# Allegro board FEE5_10_30.brd (continued)
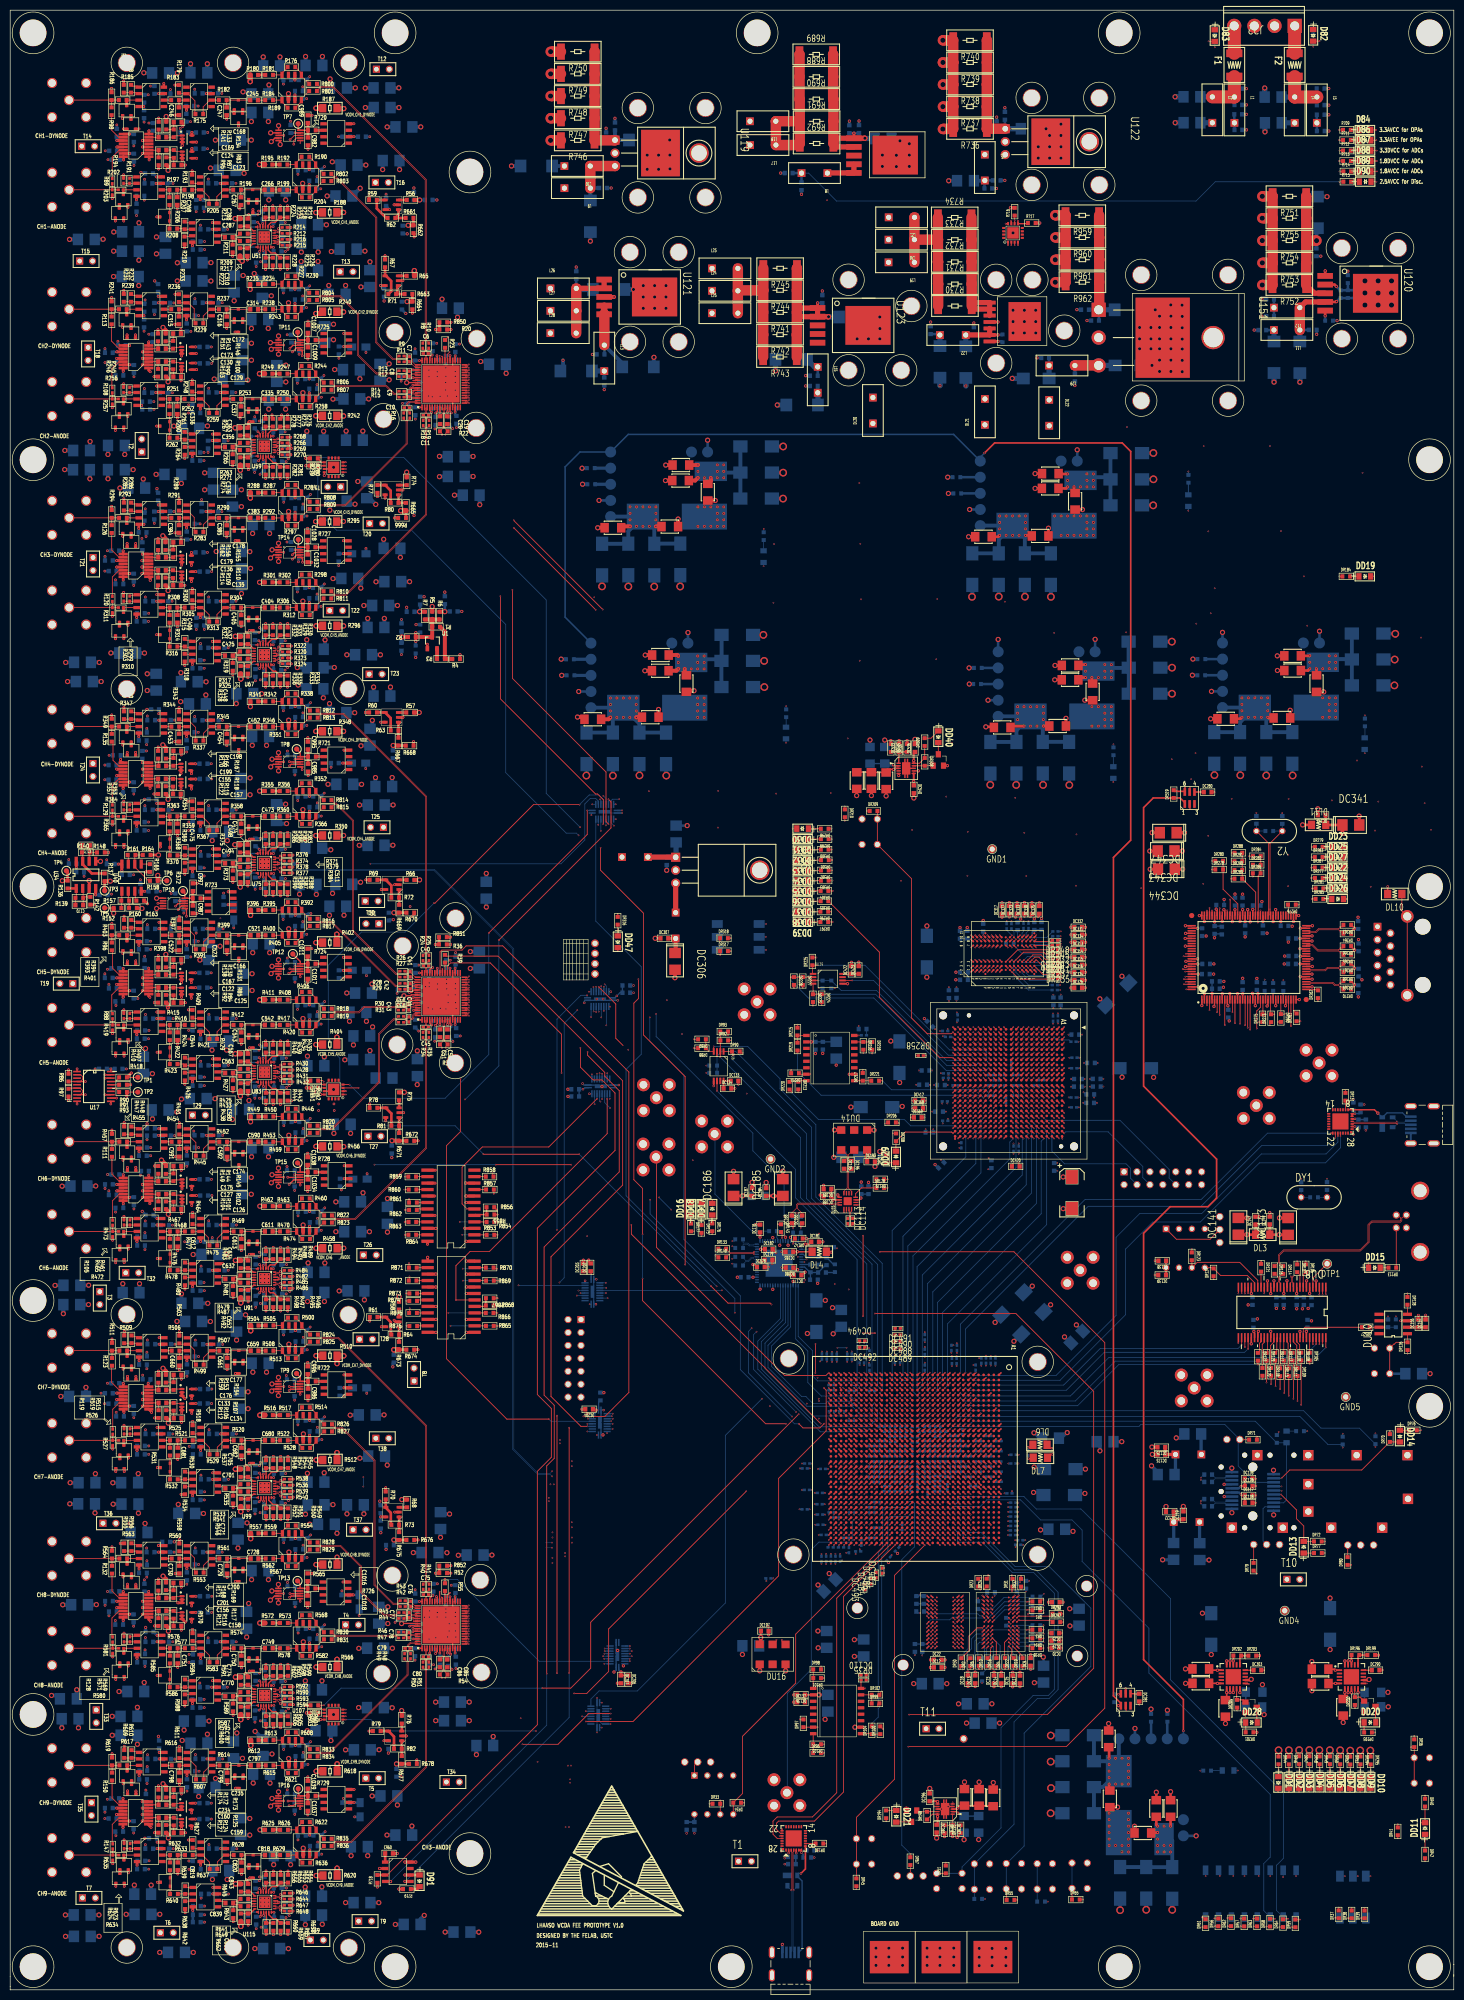
[diagram p0: board, top side]
## Nets (continued)

## Via types
v1: diameter 0.305, hole 0.203, TOP to BOTTOM, 2765 vias
v2: diameter 0.457, hole 0.305, TOP to BOTTOM, 64 vias
v3: diameter 0.508, hole 0.254, TOP to BOTTOM, 1559 vias
v4: diameter 1.524, hole 1.016, TOP to BOTTOM, 81 vias
v5: diameter 1.016, hole 0.61, TOP to BOTTOM, 855 vias
v6: diameter 0.635, hole 0.305, TOP to BOTTOM, 271 vias
v7: diameter 0.559, hole 0.254, TOP to BOTTOM, 226 vias
v8: diameter 0.61, hole 0.33, TOP to BOTTOM, 137 vias
v9: diameter 0.221, hole 0.099, TOP to BOTTOM, 47 vias

## Routing (per net, layer and track width the routed paths; a pad name or vN(x,y) marks a point on that pad's centre or on a via; arc(x,y) is an arc through that point)
-5.2V: length 20.1
  TOP w0.508: v8(260.56,331.52) 260.51,331.52 260.43,331.44 U120.4
  TOP w1.016: U120.4 254.45,331.44 L12.1
  TOP w2.032: L11.1 L12.1
  BOTTOM w0.508: C928.2 262.78,332.21 R695.1 262.76,332.2 R696.1 261.24,332.2 v8(260.56,331.52) ; C925.2 253.35,325.95 L11.1
  BOTTOM w1.016: L11.1 253.35,325.92 C924.2
A7VCCADC: length 23.6
  TOP w0.254: DU4.T18 179.22,103.74 v1(179.59,103.37) ; DL7.1 200.78,104.28 v2(199.97,104.28)
  S4 w0.254: v2(199.97,104.28) 199.97,104.29 180.51,104.29 v1(179.59,103.37)
  BOTTOM w0.254: v2(199.97,104.28) 199.95,104.3 DC543.1 ; v1(179.59,103.37) 179.23,103.73 DC544.1
GND: length 2269.2
  TOP w0.152: DU4.M21 v1(183.65,100.32) ; DD37.2 v1(154.51,214.58) ; D89.2 v1(268.49,357.07) ; v1(245.72,143.13) 245.72,143.13 DR121.1 ; DD33.2 v1(153.82,221.82) ; DD7.2 261.22,38.91 v1(261.21,38.9) ; DU40.M1 v1(198.36,199.88) ; DR58.1 v1(246.77,12.43) ; DD19.2 267.91,277.55 v1(267.91,277.55) ; DR255.1 205.89,199.49 v1(206.5,199.49) ; DD31.2 v1(153.78,225.96) ; DR211.2 172.11,164.5 v1(172.1,164.51) ; v1(255.18,38.93) 255.18,38.93 DD4.2 ; DR258.2 177.92,183.46 v1(177.92,183.46) ; DR56.1 v1(236.69,12.48) ; DC110.2 v1(166.67,61.8) ; DD6.2 259.21,38.93 v1(259.22,38.93) ; 197.84,17.69 v1(197.84,17.68) 197.82,17.66 DR55.2 ; D87.2 v1(268.45,361.16) ; DR51.2 v1(183.79,24.99) ; R711.1 v1(261.04,363.21) ; DR27.1 202.32,76.41 202.48,76.56 v1(202.98,76.56) ; DD47.2 v1(119.36,203.97) ; DR64.1 v1(249.31,12.34) ; DD2.2 251.15,38.91 v1(251.16,38.9) ; DR262.1 v1(256.88,194.1) ; v1(266.04,16.12) 266.05,16.12 DR39.2 ; DR227.2 v1(155.69,196.75) ; DD36.2 v1(153.69,215.81) ; v1(257.2,38.94) 257.2,38.94 DD5.2 ; v1(186.64,62.99) 186.64,63.43 186.79,63.58 186.84,63.58 DR30.1 ; v1(206.85,72.2) 206.85,72.19 DR292.2 ; DU37.D6 v1(204.06,184.04) ; DR59.1 v1(251.71,12.28) ; DU37.C9 v1(205.06,181.04) ; D83.2 v1(235.4,382.61) ; DR24.2 192.11,81 v1(192.11,81.43) ; Q2.2 v1(176.06,35.95) ; v1(247.41,189.47) 247.41,189.76 DR273.1 ; v1(253.17,38.91) 253.17,38.91 DD3.2 ; DD1.2 249.12,38.9 v1(249.11,38.9) ; v1(150.79,150.33) 150.79,150.32 DR143.1 ; DD30.2 v1(153.7,228.01) ; DD32.2 v1(153.78,223.9) ; v1(196.77,81.41) 196.77,80.82 DR31.2 ; DR45.2 166.23,19.79 v1(166.23,19.79) ; DU37.A9 v1(207.06,181.04) ; DR261.1 v1(253.47,190.19) ; DU37.M12 v1(195.2,177.18) ; DR32.2 v1(198.57,81.29) ; v1(141.63,186.42) 141.63,186.42 DR92.2 ; D90.2 v1(268.39,355.05) ; DR291.1 239.95,221.58 v1(239.95,221.59) ; DR286.1 v1(244.11,218.61) ; DR62.1 v1(239.15,12.51) ; DR42.2 v1(277.93,25.23) ; DC19.1 206.64,68.59 v1(206.65,68.59) ; DR293.2 206.82,73.84 v1(206.84,73.86) ; v1(263.2,38.9) 263.21,38.91 DD8.2 ; DR275.1 v1(245.32,190.03) ; DD10.2 267.2,38.91 v1(267.2,38.91) ; DD38.2 v1(153.75,211.75) ; D88.2 v1(268.46,359.11) ; v1(206.46,198.47) 206.46,198.48 DR256.1 ; DR276.1 v1(253.12,213.09) ; DR37.2 v1(260.98,16.15) ; DD15.1 v1(266.84,142.7) ; v1(206.66,67.16) 206.66,67.16 DC20.1 ; DU37.C6 v1(205.06,184.04) ; DU37.D9 v1(204.06,181.04) ; DR280.1 v1(236.13,221.68) ; DC25.1 206.64,70.04 v1(206.65,70.05) ; v1(190.82,80.92) 190.36,80.92 DR23.2 ; DR318.2 v1(141.56,206.5) ; DR88.2 v1(134.26,184.91) ; DR38.2 v1(263.52,16.13) ; DD34.2 v1(153.74,219.82) ; DR225.2 v1(158.37,202.71) ; DR90.2 143.31,184.12 143.47,183.97 v1(143.9,183.97) ; DR317.2 v1(141.56,203.95) ; DD39.2 v1(153.79,209.7) ; DD9.2 v1(265.2,38.92) ; DD35.2 v1(153.81,217.83) ; DU37.B9 v1(206.06,181.04) ; DR57.1 v1(241.69,12.46) ; DR61.1 v1(234.18,12.32) ; D84.2 v1(268.3,365.21) ; DR63.1 v1(244.26,12.46) ; DR179.1 v1(172.37,159.15) ; DR65.2 v1(210.77,17.72) ; DR223.2 v1(157.7,193.26)
  TOP w0.203: v1(242.66,53.79) 242.65,53.79 Q3.2 ; DC290.2 v1(269.64,62.77) ; Q1.2 v1(265.97,53.92) ; DC303.2 246.33,62.76 v1(246.33,62.77)
  TOP w0.254: DU4.AE9 v1(169.79,113.19) ; DU4.C18 v1(192.65,103.32) ; DU1.L9 v1(187.21,68.67) ; DU4.J32 v1(186.65,89.32) ; DU4.Y21 v1(174.79,100.32) ; DU4.F13 v1(189.65,109.19) ; DU4.AH12 v1(166.79,110.19) ; DU37.B15 v1(206.06,174.18) ; DU37.P12 v1(193.2,177.18) ; DU41.1 234.1,193.28 v6(234.09,193.28) ; DU4.AM15 v1(162.79,107.19) ; DU37.G5 v1(201.06,185.04) ; DU37.F13 v1(202.06,176.18) ; DU4.AN16 v1(161.79,106.19) ; v6(243.59,209.72) 243.6,209.73 DU41.83 ; DU1.C9 v1(187.21,75.83) ; v6(241.09,195.59) 241.1,195.59 DU41.15 ; DU1.J1 v1(180.06,70.27) ; DU4.R24 v1(180.65,97.32) ; DU4.AE20 v1(169.79,101.32) ; DU39.5 v6(164.49,197.57) ; DU4.AJ13 v1(165.79,109.19) ; DU8.13 250.82,139.23 v6(250.81,139.24) ; DU4.H23 v1(187.65,98.32) ; DU4.E22 190.22,99.61 190.73,99.1 v1(190.74,99.1) ; U125.11 196.67,347.26 196.67,347.26 v1(196.67,347.39) ; U153.11 63.2,176.46 v5(63.53,176.79) ; DU4.G3 v1(188.65,119.19) ; DU4.R18 v1(180.65,103.32) ; DU4.W7 v1(175.79,115.19) ; DC281.2 v1(221.79,56) ; DU4.AL12 v1(163.79,110.19) ; DU37.E21 v1(203.06,168.18) ; DU4.U16 v1(178.65,106.19) ; DU37.R18 v1(192.2,171.18) ; DU4.B33 193.65,88.33 v1(193.68,88.33) ; DU4.AN18 v1(161.79,103.32) ; v6(162.58,156.08) 162.58,155.87 162.83,155.62 DU15.13 ; DU37.K12 v1(198.06,177.18) ; DU4.L16 v1(184.65,106.19) ; v1(169.75,80.93) 169.76,80.92 DC486.2 ; DC207.2 v6(119.29,60.21) ; DU41.101 234.57,210.93 234.57,209.78 v6(234.58,209.78) ; DU4.AF6 v1(168.79,116.19) ; DU4.AE24 v1(169.79,97.32) ; DU4.AF17 v1(168.79,105.19) ; DU4.AE18 v1(169.79,103.32) ; DU4.AK4 v1(164.79,118.19) ; v2(204.64,106.35) 204.17,106.35 203.69,106.83 DL6.1 ; DU4.AN20 v1(161.79,101.32) ; v6(243.8,126.85) 243.81,126.86 DU8.33 ; DU4.J20 v1(186.65,101.32) ; DU4.AL11 v1(163.79,111.19) ; DU4.F19 v1(189.65,102.32) ; U17.10 v3(13.14,173.94) ; DU37.E7 v1(203.06,183.04) ; DU37.E15 v1(203.06,174.18) ; DU4.T13 v1(179.65,109.19) ; DU4.V25 v1(176.79,96.32) ; DU37.N2 v1(194.2,188.04) ; DU41.84 243.1,212.01 243.1,212.01 v6(243.1,212.11) ; DU4.AM12 v1(162.79,110.19) ; DU4.M15 v1(183.65,107.19) ; DU2.B1 v1(190.98,76.63) ; DU4.E24 v1(190.65,97.32) ; DU4.G21 v1(188.65,100.32) ; DU8.19 246.99,139.2 v6(246.98,139.21) ; DU4.AJ19 v1(165.79,102.32) ; DU1.D1 v1(180.06,75.03) ; DU4.AK21 v1(164.79,100.32) ; DU4.T19 v1(179.65,102.32) ; DU2.L1 v1(190.98,68.67) ; DC423.2 166.71,201.78 v6(166.7,201.79) ; DU4.AC16 v1(171.79,106.19) ; DU1.D9 v1(187.21,75.03) ; DU37.N11 v1(194.2,179.04) ; DU41.116 233.23,202.45 v6(233.24,202.45) ; DU37.C14 v1(205.06,175.18) ; DU2.J1 v1(190.98,70.27) ; DU37.D15 v1(204.06,174.18) ; U137.3 v3(53.73,200.48) ; DC176.2 v6(146.52,150.26) ; DU4.AF16 v1(168.79,106.19) ; DU1.B1 v1(180.06,76.63) ; DU4.AM33 v1(162.79,88.32) ; DU8.17 v6(248.26,139.23) ; DU4.AB23 v1(172.79,98.32) ; DU4.F23 v1(189.65,98.32) ; DU4.L18 v1(184.65,103.32) ; DU4.AL13 v1(163.79,109.19) ; v1(186.29,176.26) 186.29,176.27 DU37.AA13 ; DC316.2 211.19,199.79 v6(211.2,199.8) ; DU40.M9 v1(198.36,207.06) ; DU37.H7 v1(200.06,183.04) ; v6(252.1,209.79) 252.1,209.8 DU41.66 ; DU37.E13 v1(203.06,176.18) ; DU41.45 v6(255.72,199.45) ; DU4.K19 v1(185.65,102.32) ; DU4.J7 v1(186.65,115.19) ; DU4.A18 v1(194.65,103.32) ; DU4.J18 v1(186.65,103.32) ; DU37.U17 v1(190.2,172.18) ; DU4.V23 v1(176.79,98.32) ; DU37.J15 v1(199.06,174.18) ; DU37.E10 v1(203.06,180.04) ; v6(244.02,195.66) 244.1,195.58 DU41.21 ; DU41.94 v6(238.1,209.8) ; DC313.2 v6(211.18,204.26) ; DU37.B13 v1(206.06,176.18) ; DU4.AG15 v1(167.79,107.19) ; DU4.AF18 v1(168.79,103.32) ; DU4.AN24 v1(161.79,97.32) ; DU4.AJ18 v1(165.79,103.32) ; DR142.1 156.41,147.53 v6(156.41,147.54) ; DC533.2 v6(174.62,245.29) ; DU4.AH15 v1(166.79,107.19) ; DU37.A15 v1(207.06,174.18) ; v6(241.6,209.79) 241.6,209.8 DU41.87 ; DU4.AJ15 v1(165.79,107.19) ; DU4.AA26 v1(173.79,95.32) ; DU4.U20 v1(178.65,101.32) ; DU37.K14 v1(198.06,175.18) ; DU37.A11 v1(207.06,179.04) ; DU4.AC20 v1(171.79,101.32) ; DU4.AL15 v1(163.79,107.19) ; DU1.N9 v1(187.21,67.07) ; DU4.AJ16 v1(165.79,106.19) ; v6(238.42,212.1) 238.6,211.92 DU41.93 ; DU4.E19 v1(190.65,102.32) ; v1(236.58,235.2) 236.57,235.19 DC280.2 ; DU40.T9 v1(201.56,207.06) ; DU4.AN5 v1(161.79,117.19) ; DU4.AB13 v1(172.79,109.19) ; DU4.W14 v1(175.79,108.19) ; DU40.J8 v1(195.96,206.26) ; DU4.C19 v1(192.65,102.32) ; DC334.2 211.24,205.69 v6(211.24,205.69) ; DU37.E8 v1(203.06,182.04) ; DU37.A13 v1(207.06,176.18) ; DU37.A1 v1(207.06,189.04) ; DU4.H22 v1(187.65,99.32) ; DU4.AD27 v1(170.79,94.32) ; DU37.N9 v1(194.2,181.04) ; DU37.C7 v1(205.06,183.04) ; DC206.2 v6(122.06,60.2) ; DU4.N30 v1(182.65,91.32) ; DU4.E20 v1(190.65,101.32) ; DU1.F2 v1(180.86,73.43) ; v6(255.74,196.95) 255.73,196.95 DU41.40 ; DU4.AB8 v1(172.79,114.19) ; v3(53.71,37.1) 53.67,37.1 53.67,37.09 U144.3 ; DU37.G18 v1(201.06,171.18) ; DU40.F9 v1(192.78,207.06) ; DU1.B2 v1(180.86,76.63) ; DU37.N17 v1(194.2,172.18) ; DU4.AJ12 v1(165.79,110.19) ; DU4.L26 v1(184.65,95.32) ; DC331.2 v6(211.22,207.17) ; DU4.J17 v1(186.65,105.19) ; DU37.C8 v1(205.06,182.04) ; DU4.C12 v1(192.65,110.19) ; DU4.B24 v1(193.65,97.32) ; DU4.U12 v1(178.65,110.19) ; DU37.E12 v1(203.06,177.18) ; v5(63.52,54.05) 63.19,53.72 U154.11 ; DU4.AG23 v1(167.79,98.32) ; DU2.D9 v1(198.13,75.03) ; DU4.K17 v1(185.65,105.19) ; DU4.AF13 v1(168.79,109.19) ; U2.13 86.91,313.08 86.04,313.95 86.04,314.35 85.75,314.65 85.35,314.65 U2.65 85.04,315.71 85.04,315.83 85.34,316.13 85.45,316.13 86.91,317.58 U2.36 ; DU37.C15 v1(205.06,174.18) ; DU4.AP16 v1(160.79,106.19) ; DU37.U2 v1(190.2,188.04) ; DU37.J11 v1(199.06,179.04) ; DU2.D1 v1(190.98,75.03) ; DU4.AK14 v1(164.79,108.19) ; DU37.N13 v1(194.2,176.18) ; DU4.AK16 v1(164.79,106.19) ; v6(245.33,151.82) 245.31,151.81 DC142.2 ; v6(245.2,129.31) 245.08,129.18 DU8.35 ; DU4.L11 v1(184.65,111.19) ; DU4.D12 v1(191.65,110.19) ; DU8.4 256.54,139.2 v6(256.54,139.2) ; v3(53.73,241.15) 53.6,241.15 53.59,241.15 U129.3 ; DU4.M33 v1(183.65,88.32) ; DU1.J9 v1(187.21,70.27) ; DC327.2 v6(196.28,213.48) ; DC489.2 174.81,125.52 v1(174.82,125.51) ; DU4.AH22 v1(166.79,99.32) ; DU4.AD2 v1(170.79,120.19) ; DU1.F8 v1(186.41,73.43) ; DU37.AB1 v1(185.2,189.04) ; DU37.AA17 v1(186.2,172.18) ; DC333.2 199.25,213.48 v6(199.24,213.48) ; DU4.C15 v1(192.65,107.19) ; DU40.E8 v1(191.98,206.26) ; v6(159.79,157.96) 159.79,157.96 DC189.2 ; DU4.AK15 v1(164.79,107.19) ; R868.1 v1(95.79,134.37) ; DU4.AF21 v1(168.79,100.32) ; v6(233.61,210.94) 233.62,210.95 DU41.102 ; DU4.A14 v1(194.65,108.19) ; DU37.D16 v1(204.06,173.18) ; DU40.P9 v1(199.96,207.06) ; DU4.AF15 v1(168.79,107.19) ; DU40.E2 v1(191.98,200.68) ; DU4.AK12 v1(164.79,110.19) ; U3.13 86.91,192.83 86.39,193.35 85.75,193.35 85.45,193.64 85.45,194.07 85.56,194.17 U3.65 86.91,197.33 U3.36 ; DU37.D10 v1(204.06,180.04) ; DU4.A26 v1(194.65,95.32) ; v1(185.62,167.07) 185.62,167.12 185.63,167.13 DU37.AB22 ; DU1.A8 v1(186.41,77.43) ; DU4.AK17 v1(164.79,105.19) ; v1(219.12,54.87) 219.13,54.88 DU32.2 ; DU4.A24 v1(194.65,97.32) ; DU4.C24 v1(192.65,97.32) ; DU37.D12 v1(204.06,177.18) ; DU4.F6 v1(189.65,116.19) ; DU4.AD15 v1(170.79,107.19) ; DU37.A12 v1(207.06,177.18) ; DU4.AA18 v1(173.79,103.32) ; DU4.T23 v1(179.65,98.32) ; DU4.AM23 v1(162.79,98.32) ; DU2.D8 v1(197.33,75.03) ; DU4.AK29 v1(164.79,92.32) ; DU41.22 v6(244.6,193.24) ; v6(197.79,213.47) 197.79,213.47 DC323.2 ; DU4.AE22 v1(169.79,99.32) ; DU4.AJ17 v1(165.79,105.19) ; DU4.AB15 v1(172.79,107.19) ; DU4.AC5 v1(171.79,117.19) ; v6(184.25,35.99) 184.25,35.99 DU34.4 ; DU4.D16 v1(191.65,106.19) ; DU37.C10 v1(205.06,180.04) ; v6(253.44,208.45) 253.45,208.45 DU41.63 ; DU4.J19 v1(186.65,102.32) ; DU4.P27 v1(181.65,94.32) ; DR307.2 v6(176.19,245.29) ; DU4.Y15 v1(174.79,107.19) ; DU2.L9 v1(198.13,68.67) ; DU4.N18 v1(182.65,103.32) ; DU4.AK20 v1(164.79,101.32) ; DU4.W20 v1(175.79,101.32) ; DU41.51 v6(255.73,202.45) ; DU1.B8 v1(186.41,76.63) ; DU37.C13 v1(205.06,176.18) ; v2(150.47,144.7) 149.78,145.39 DC182.2 ; DU4.L1 v1(184.65,121.19) ; DU4.V19 v1(176.79,102.32) ; DU4.C23 v1(192.65,98.32) ; DU37.R5 v1(192.2,185.04) ; DU37.W7 v1(188.2,183.04) ; U17.19 v3(18.62,179.68) ; DU37.E11 v1(203.06,179.04) ; DU37.D7 v1(204.06,183.04) ; DC178.2 v2(149.01,141.92) ; DU37.AA5 v1(186.2,185.04) ; DU4.AC12 v1(171.79,110.19) ; DU4.E12 v1(190.65,110.19) ; DU37.M14 v1(195.2,175.18) ; DU43.8 DU43.11 ; DC181.2 v6(159.62,146.88) ; DU37.B10 v1(206.06,180.04) ; U17.11 19.77,174.21 19.77,174.21 v3(19.77,173.94) ; DU4.AA11 v1(173.79,111.19) ; DC491.2 v1(174.87,129.55) ; DU4.V17 v1(176.79,105.19) ; DU37.A22 206.63,167.57 206.69,167.51 v1(206.69,167.15) ; DU4.T15 v1(179.65,107.19) ; v3(53.74,322.96) 52.73,322.96 U136.3 ; U130.3 v3(53.76,118.47) ; DU4.AG17 v1(167.79,105.19) ; DU4.E13 v1(190.65,109.19) ; DU4.E16 v1(190.65,106.19) ; DU4.D2 v1(191.65,120.19) ; DU4.E18 v1(190.65,103.32) ; v6(194.83,213.46) 194.83,213.45 DC317.2 ; DU41.106 v6(230.9,207.45) ; DU4.J13 v1(186.65,109.19) ; DU37.V10 v1(189.2,180.04) ; DU4.AA12 v1(173.79,110.19) ; DU4.AL21 v1(163.79,100.32) ; DU4.P19 v1(181.65,102.32) ; DU37.E14 v1(203.06,175.18) ; v3(18.62,175.77) 18.82,175.77 18.83,175.77 U17.13 ; DU40.D1 v1(191.18,199.88) ; DU4.K15 v1(185.65,107.19) ; DU2.F8 v1(197.33,73.43) ; DU4.R16 v1(180.65,106.19) ; DU4.AN12 v1(161.79,110.19) ; U143.3 v3(53.73,159.56) ; DU40.T1 v1(201.56,199.88) ; DU4.AF22 v1(168.79,99.32) ; DU41.127 v6(233.39,196.95) ; DU4.AC30 v1(171.79,91.32) ; v3(29.02,213.35) 29.12,213.35 29.13,213.34 U131.3 ; DU37.B17 v1(206.06,172.18) ; DU4.AM18 v1(162.79,103.32) ; DC369.1 176.96,171.3 v1(176.96,171.3) ; v3(13.14,180.85) 13.14,180.69 13.14,180.68 U17.1 ; DU4.AG3 v1(167.79,119.19) ; DU37.D11 v1(204.06,179.04) ; DU2.A8 v1(197.33,77.43) ; DU4.C5 v1(192.65,117.19) ; DU8.48 253.36,129.28 v6(253.36,129.28) ; DU37.W16 v1(188.2,173.18) ; DU40.G1 v1(193.58,199.88) ; DU40.B1 v1(189.58,199.88) ; DU4.U18 v1(178.65,103.32) ; DU37.B11 v1(206.06,179.04) ; DU37.E2 v1(203.06,188.04) ; DU4.N22 v1(182.65,99.32) ; DU4.AK23 v1(164.79,98.32) ; DU4.Y23 v1(174.79,98.32) ; DU4.M23 v1(183.65,98.32) ; DU4.AJ21 v1(165.79,100.32) ; U4.36 86.91,73.91 U4.65 85.67,70.64 85.67,70.25 85.97,69.95 86.36,69.95 86.91,69.41 U4.13 ; DU4.H10 v1(187.65,112.19) ; DC314.2 v6(211.16,202.75) ; DU40.G8 v1(193.58,206.26) ; DU4.AC18 v1(171.79,103.32) ; DU41.38 v6(253.23,194.45) ; DC324.2 v6(211.2,198.25) ; DU4.C21 v1(192.65,100.32) ; DU4.AA16 v1(173.79,106.19) ; DU37.B7 v1(206.06,183.04) ; DU37.K10 v1(198.06,180.04) ; DU1.L1 v1(180.06,68.67) ; DU31.2 231.69,231.92 v1(231.7,231.92) ; DU37.C11 v1(205.06,179.04) ; DU4.AA22 v1(173.79,99.32) ; DU4.R34 v1(180.65,87.32) ; DU4.G15 v1(188.65,107.19) ; DU4.AM8 v1(162.79,114.19) ; DU4.W32 v1(175.79,89.32) ; DC203.2 v6(112.6,143.26) ; DU37.L18 v1(197.06,171.18) ; DU4.AA20 v1(173.79,101.32) ; DU4.K29 v1(185.65,92.32) ; DC326.2 v6(211.17,196.76) ; v6(165.26,201.76) 165.26,201.76 DC422.2 ; DU37.W19 v1(188.2,170.18) ; DU4.AD19 v1(170.79,102.32) ; DU4.G17 v1(188.65,105.19) ; DU4.V10 v1(176.79,112.19) ; DU4.R22 v1(180.65,99.32) ; DU4.AP12 v1(160.79,110.19) ; DU4.A16 v1(194.65,106.19) ; DU2.A1 v1(190.98,77.43) ; DU4.AE16 v1(169.79,106.19) ; DU37.L13 v1(197.06,176.18) ; DU4.AC22 v1(171.79,99.32) ; DC202.2 113.72,142.94 113.72,143.19 v6(113.64,143.27) ; v6(255.74,206.95) 255.74,206.95 DU41.60 ; DU4.Y4 v1(174.79,118.19) ; DU37.J21 v1(199.06,168.18) ; DC332.2 211.19,208.65 v6(211.2,208.64) ; DU37.U21 v1(190.2,168.18) ; DU4.B8 v1(193.65,114.19) ; DU4.N16 v1(182.65,106.19) ; DU4.M13 v1(183.65,109.19) ; DU4.Y19 v1(174.79,102.32) ; DU37.J9 v1(199.06,181.04) ; DU4.H25 v1(187.65,96.32) ; DU4.N5 v1(182.65,117.19) ; DU4.V21 v1(176.79,100.32) ; U142.3 v3(53.73,282.27) ; DU4.E9 v1(190.65,113.19) ; DU1.D8 v1(186.41,75.03) ; v1(171.68,81.8) 171.67,81.79 DC487.2 ; v6(211.2,201.26) 211.2,201.26 DC315.2 ; DU4.AM21 v1(162.79,100.32) ; DC282.2 v6(185.13,30.11) ; DU37.J2 v1(199.06,188.04) ; DU4.AL26 v1(163.79,95.32) ; v1(174.83,126.95) 174.83,126.95 DC488.2 ; DU4.AL1 v1(163.83,121.15) ; DC204.2 v6(112.34,114.01) ; DU1.A1 v1(180.06,77.43) ; DU4.AP27 v1(160.79,94.32) ; DU4.AK22 v1(164.79,99.32) ; DU4.D27 v1(191.65,94.32) ; DU37.D8 v1(204.06,182.04) ; DU4.AN30 v1(161.79,91.32) ; DC412.1 v1(177.2,174.6) ; DU4.AP14 v1(160.79,108.19) ; DU4.AM20 v1(162.79,101.32) ; DU4.AP18 v1(160.79,103.32) ; DU41.48 v6(255.78,200.95) ; DC183.2 151.55,144.92 v2(151.54,144.92) ; DU4.F17 v1(189.65,105.19) ; DU4.AH21 v1(166.79,100.32) ; DU2.B2 v1(191.78,76.63) ; DU37.A10 v1(207.06,180.04) ; DU4.V13 v1(176.79,109.19) ; v1(197.02,162.28) 197.02,161.93 DC420.1 ; DU4.AF20 v1(168.79,101.32) ; DU4.AP2 v1(160.79,120.19) ; v1(95.67,153.08) 95.09,153.66 R856.1 ; DU37.V14 v1(189.2,175.18) ; DU2.F2 v1(191.78,73.43) ; DU4.M17 v1(183.65,105.19) ; DU4.A1 v1(194.65,121.19) ; DU4.AH25 v1(166.79,96.32) ; DU4.P17 v1(181.65,105.19) ; DU4.A20 v1(194.65,101.32) ; DU4.J15 v1(186.65,107.19) ; DU4.AN14 v1(161.79,108.19) ; DU2.N9 v1(198.13,67.07) ; DU4.P23 v1(181.65,98.32) ; DU4.G12 v1(188.65,110.19) ; DU4.R20 v1(180.65,101.32) ; v5(63.53,298.97) 63.2,298.64 U152.11 ; DU2.J9 v1(198.13,70.27) ; DC330.2 v6(200.71,213.49) ; DU4.A12 v1(194.65,110.19) ; DU1.N1 v1(180.06,67.07) ; DU4.C17 v1(192.65,105.19) ; DU37.L9 v1(197.06,181.04) ; DU4.M19 v1(183.65,102.32) ; DU4.AB17 v1(172.79,105.19) ; DU41.58 255.73,205.95 v6(255.73,205.95) ; DU4.E23 v1(190.65,98.32) ; DU4.B12 v1(193.65,110.19) ; DU40.J2 v1(195.96,200.68) ; DU4.AA1 v1(173.79,121.19) ; DU4.AK19 v1(164.79,102.32) ; DU4.G19 v1(188.65,102.32) ; DU4.AL23 v1(163.79,98.32) ; DU4.W17 v1(175.79,105.19) ; DU4.AJ20 v1(165.79,101.32) ; DU4.A11 v1(194.65,111.19) ; DU4.AB33 v1(172.79,88.32) ; DU4.J21 v1(186.65,100.32) ; DU4.AL17 v1(163.79,105.19) ; DU4.U14 v1(178.65,108.19) ; DU4.AM19 v1(162.79,102.32) ; DU41.43 v6(255.75,198.45) ; DU4.C16 v1(192.65,106.19) ; DU4.AN22 v1(161.79,99.32) ; DU4.AB21 v1(172.79,100.32) ; DU41.9 238.1,195.57 v6(238.1,195.58) ; v6(248.1,209.77) DU41.74 ; DU4.P13 v1(181.65,109.19) ; DU4.K13 v1(185.65,109.19) ; DU4.AF31 v1(168.79,90.32) ; DU4.AM13 v1(162.79,109.19) ; DU4.J14 v1(186.65,108.19) ; DU4.F15 v1(189.65,107.19) ; DU4.AG28 v1(167.79,93.32) ; DU4.AP22 v1(160.79,99.32) ; DU41.55 253.38,204.45 v6(253.37,204.45) ; DU4.AL20 v1(163.79,101.32) ; DC484.2 168.7,79.73 v1(168.7,79.72) ; DU4.F31 v1(189.65,90.32) ; DU4.U3 v1(178.65,119.19) ; v1(167.73,125.78) 167.73,126.02 DC492.2 ; DU4.H13 v1(187.65,109.19) ; DU41.108 v6(230.82,206.45) ; DU4.AH17 v1(166.79,105.19) ; DU37.B12 v1(206.06,177.18) ; DU4.AA14 v1(173.79,108.19) ; DU40.B3 v1(189.58,202.26) ; DU37.P10 v1(193.2,180.04) ; DU37.AA22 v1(186.2,167.18) ; DU4.AJ14 v1(165.79,108.19) ; v6(247.43,152.6) 247.43,152.6 DC144.2 ; DU37.V4 v1(189.2,186.04) ; DU40.E1 v1(191.98,199.88) ; DU4.G13 v1(188.65,109.19) ; v6(230.87,200.95) 230.88,200.95 DU41.119 ; DU4.J16 v1(186.65,106.19) ; DU4.AK24 v1(164.79,97.32) ; DU41.65 v6(253.1,210.95) ; DU4.AG21 v1(167.79,100.32) ; DU4.AB19 v1(172.79,102.32) ; DU4.AM24 v1(162.79,97.32) ; DU4.M8 v1(183.65,114.19) ; DU4.AG19 v1(167.79,102.32) ; DU4.E15 v1(190.65,107.19) ; DU4.AJ32 v1(165.79,89.32) ; DU37.E9 v1(203.06,181.04) ; DU4.T6 v1(179.65,116.19) ; DU37.F12 v1(202.06,177.18) ; DU40.G9 v1(193.58,207.06) ; DU4.R12 v1(180.65,110.19) ; DU4.P2 v1(181.65,120.19) ; DU4.T21 v1(179.65,100.32) ; DC197.2 v6(149,69.72) ; DU4.AC14 v1(171.79,108.19) ; DU4.AF14 v1(168.79,108.19) ; DU4.T31 v1(179.65,90.32) ; DU4.AJ23 v1(165.79,98.32) ; DU4.Y29 v1(174.79,92.32) ; DU37.L11 v1(197.06,179.04) ; DU37.P15 v1(193.2,174.18) ; DU4.AG13 v1(167.79,109.19) ; DU4.AF19 v1(168.79,102.32) ; U138.3 v3(53.71,77.82) ; DU37.T16 v1(191.2,173.18) ; DU4.Y13 v1(174.79,109.19) ; DU4.P21 v1(181.65,100.32) ; DU37.C16 v1(205.06,173.18) ; DU2.N1 v1(190.98,67.07) ; DU4.AD17 v1(170.79,105.19) ; DU37.A7 v1(207.06,183.04) ; DU37.D13 v1(204.06,176.18) ; DU4.AD21 v1(170.79,100.32) ; DU41.111 v6(230.86,204.95) ; DU37.U7 v1(190.2,183.04) ; DU40.B9 v1(189.58,207.06) ; DU4.AG22 v1(167.79,99.32) ; DC490.2 v1(174.83,128.26) ; DU4.E17 v1(190.65,105.19) ; DU4.Y17 v1(174.79,105.19) ; DU37.C12 v1(205.06,177.18) ; DC177.2 v6(153.26,140.35) ; DU37.N21 v1(194.2,168.18) ; DU4.AL16 v1(163.79,106.19) ; DU37.AA9 v1(186.2,181.04) ; DU4.AP20 v1(160.79,101.32) ; DU4.AK18 v1(164.79,103.32) ; DU4.D18 v1(191.65,103.32) ; DC494.2 v1(166.87,127.07) ; DU2.C9 v1(198.13,75.83) ; DU2.B8 v1(197.33,76.63) ; DC493.2 v1(167.51,78.59) ; DU4.P15 v1(181.65,107.19) ; DU41.103 v6(230.87,208.95) ; DU4.AH10 v1(166.79,112.19) ; DU4.J22 v1(186.65,99.32) ; DU4.R9 v1(180.65,113.19) ; DU4.R14 v1(180.65,108.19) ; DU4.A22 v1(194.65,100.19) ; DC188.2 159.55,156.07 v6(159.14,156.07) ; DU37.J13 v1(199.06,176.18) ; DU4.L14 v1(184.65,108.19) ; DU4.AL18 v1(163.79,103.32) ; DC325.2 v6(202.17,213.44) ; DU37.L5 v1(197.06,185.04) ; DU37.P14 v1(193.2,175.18) ; DC368.1 v1(177.22,173.07) ; DU37.D14 v1(204.06,175.18) ; DU4.AJ22 v1(165.79,99.32) ; DU4.U28 v1(178.65,93.32) ; DC180.2 v2(151.57,141.81) ; DU37.M10 v1(195.2,180.04) ; DU4.G23 v1(188.65,98.32) ; DU4.AP24 v1(160.79,97.32) ; DU4.AH19 v1(166.79,102.32) ; DU4.V15 v1(176.79,107.19) ; DU4.W22 v1(175.79,99.32) ; DU4.G28 v1(188.65,93.32) ; DU8.7 254.63,139.18 v6(254.66,139.22) ; DU4.C30 v1(192.65,91.32) ; DU4.N20 v1(182.65,101.32) ; DU4.N12 v1(182.65,110.19) ; DU4.AM17 v1(162.79,105.19) ; DU4.K4 v1(185.65,118.19) ; DU4.U22 v1(178.65,99.32) ; DR197.2 v6(183.54,30.1) ; DU4.C13 v1(192.65,109.19) ; DU4.E34 v1(190.65,87.32) ; DU40.D8 v1(191.18,206.26) ; DU4.L20 v1(184.65,101.32) ; DU40.P1 v1(199.96,199.88) ; U128.3 v3(53.74,364.14) ; DU4.F12 v1(189.65,110.19) ; Q5.2 v6(184.1,240.38) ; DU4.E14 v1(190.65,108.19) ; DU40.A9 v1(188.78,207.06) ; DU4.D23 v1(191.65,98.32) ; DU4.W16 v1(175.79,106.19) ; DU4.AH23 v1(166.79,98.32) ; DU4.AK13 v1(164.79,109.19) ; DU4.W12 v1(175.79,110.19) ; DU4.AE34 v1(169.79,87.32) ; DU4.W18 v1(175.79,103.32) ; DU4.N14 v1(182.65,108.19) ; DC179.2 v2(149.73,142.55) ; DU4.AM16 v1(162.79,106.19) ; DU4.AH13 v1(166.79,109.19) ; DU37.B5 v1(206.06,185.04) ; DU38.10 v6(164.84,179.78) ; DU4.AL19 v1(163.79,102.32) ; DU4.AJ7 v1(165.79,115.19)
  TOP w0.305: DC9.1 200.45,62.99 v6(200.46,62.98) ; v2(270.59,216.65) 270.59,216.65 DL10.1 ; DR203.2 v6(245.4,65.61) ; DC15.1 v6(196.93,59.51) ; DC13.1 v6(189.57,59.57) ; DC17.1 v6(198.36,59.54) ; DC138.2 224.9,143.15 v2(224.89,143.16) ; DC117.2 v1(244.77,97.07) ; v6(193.25,59.54) 193.26,59.54 DC23.1 ; DC133.2 143.05,177.79 v2(143.06,177.78) ; DC18.1 188.14,59.58 v6(188.14,59.58) ; DC22.1 180.8,64.78 v6(180.8,64.78) ; v2(263.88,167.96) 263.87,167.96 263.43,168.41 DU12.29 ; DU11.29 151.81,27.61 v2(151.44,27.23) ; DC134.2 v2(142.41,176.99) ; DR199.2 268.76,65.73 v6(268.77,65.72) ; DC12.1 v6(180.79,63.31) ; v2(264.16,169.52) 264.15,169.52 DU12.2 ; v6(153.94,57.92) 153.94,57.92 DC136.2 ; DC137.1 v6(153.91,56.49) ; DC24.1 206.81,76.12 v6(206.82,76.12) ; DU11.2 v2(152.92,26.85) ; DC128.2 v1(244.72,98.91) ; DU6.5 v2(138.2,177.48) ; DC118.2 v1(244.67,95.65) ; DC139.2 v2(224.88,140.36) ; DC126.2 v1(244.71,100.37) ; DC14.1 v6(194.69,59.54)
  TOP w0.381: DU34.8 v6(182.95,35.49)
  TOP w0.406: DC156.2 276.61,132.5 v2(276.61,132.5) ; C168.2 33.92,366.48 v3(33.92,365.9) ; C288.1 46.85,348.01 46.85,348.57 v3(46.85,348.59) ; v2(278.04,132.51) 278.04,132.51 DC157.2 ; DU10.3 v2(273.14,131.37) ; R141.1 v3(29.17,367.57)